# KiCad board 128CR.kicad_pcb (continued)
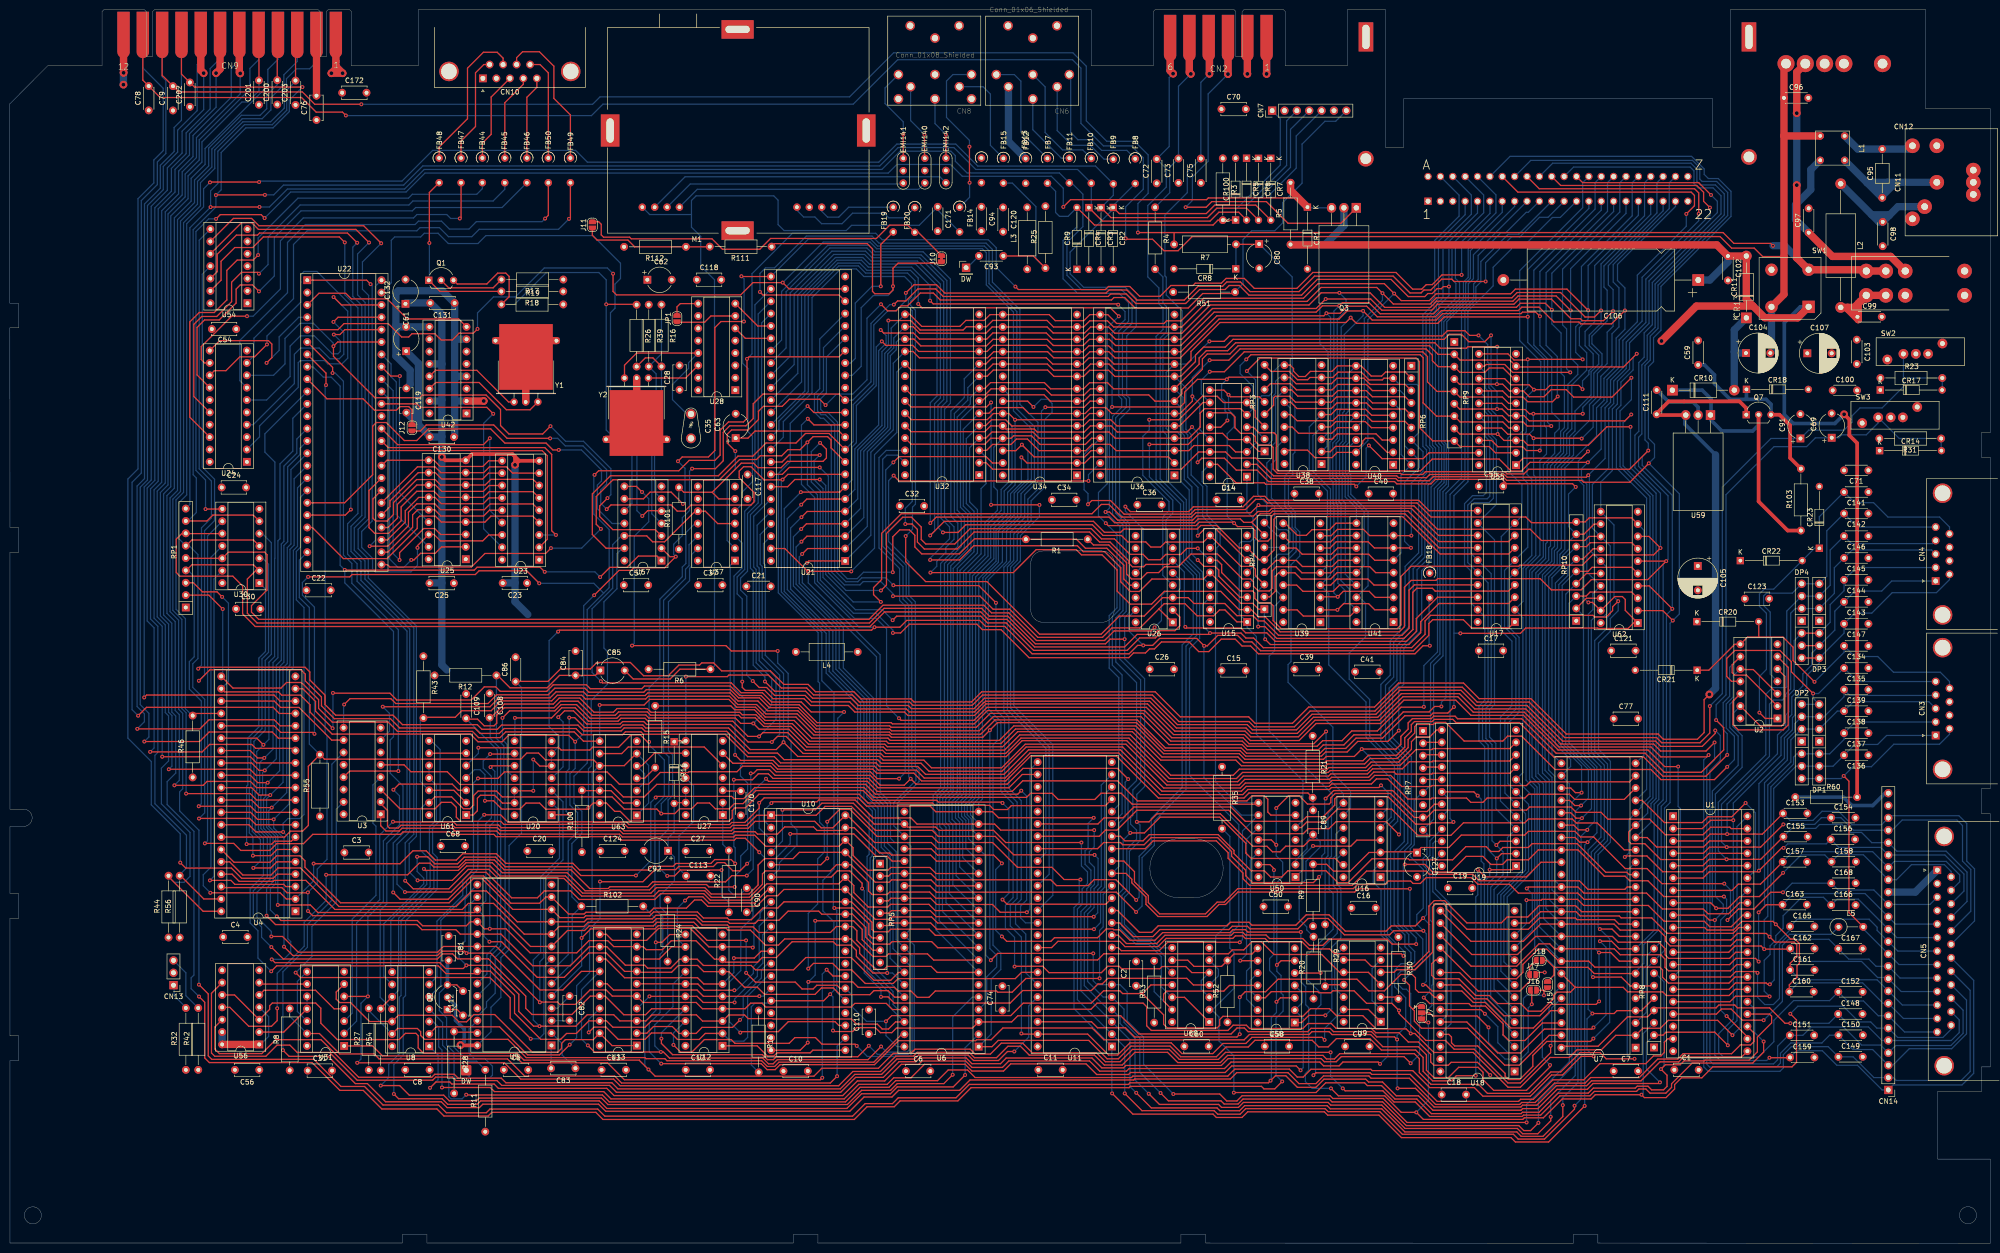
[diagram p0: board, top side]
## Routing (per net, layer and track width the routed paths; a pad name or vN(x,y) marks a point on that pad's centre or on a via; arc(x,y) is an arc through that point) (continued)
  Bottom w0.25: v1(297.8,125.29) 297.78,125.32 296.48,125.32 ; v1(324,162.67) 322,160.67 322,156.79 323.13,155.67 323.13,132.59 v1(324.08,131.64) ; 296.48,125.32 296.48,153.57 299.35,156.44 299.35,191.49 304.53,196.67 304.53,200.49 309.63,205.59 311.55,205.59 316.68,210.72 318.3,210.72 CN1.13 ; 296.48,125.32 v1(296.48,110.17) ; 84.98,108.04 84.28,107.34 84.28,94.85 U61.12
~{DRESET}: length 206
  Top w0.25: v1(148.95,162.72) 147.3,164.37 147.3,166.19 148.18,167.07 151.58,167.07 153.7,169.19 153.7,170.89 154.73,171.92 158.58,171.92 160.03,173.37 166.28,173.37 v1(167.48,172.17) ; 251.43,195.37 251.15,195.09 244.9,195.09 241.93,192.12 231.03,192.12 228.88,194.27 226.68,194.27 226.18,193.77 191.03,193.77 189.6,195.19 186.93,195.19 184.3,192.57 183,192.57 181.98,191.54 180.2,191.54 v1(178.85,192.89)
  Bottom w0.25: U37.2 147.28,144.36 147.28,157.37 148.95,159.04 v1(148.95,162.72) ; 251.43,195.37 253.18,197.12 253.18,206.19 254.98,207.99 259.7,207.99 261.3,209.59 261.3,213.77 265.3,217.77 265.3,225.79 269.99,230.48 272.2,230.48 CN7.7 ; v1(178.85,192.89) 175.98,190.02 175.98,177.37 173.05,174.44 169.75,174.44 v1(167.48,172.17)
~{DWE}: length 230.4
  Top w0.25: U40.4 279.53,167.54 278.28,168.79 272.25,168.79 271.15,167.69 U38.4 ; v1(286.13,59.02) 285.68,59.47 271.95,59.47 270.95,60.47 266.75,60.47 265.3,61.92 258.4,61.92 257.73,62.59 253.68,62.59 253.13,63.14 251.6,63.14 251.08,62.62 237.4,62.62 235.73,60.94 228.95,60.94 227.88,62.02 215.18,62.02 213.9,60.74 U11.40 ; U41.4 280.06,135.21 278.83,136.44 272.43,136.44 271.17,135.19 U39.4
  Bottom w0.25: v1(286.13,59.02) 286.13,60.07 282.85,63.34 282.85,85.77 284.25,87.17 284.25,98.09 278.43,103.92 278.43,111.17 270.78,118.82 270.78,133.46 U39.4 271.13,137.26 271.13,154.94 267.53,158.54 267.53,165.91 U38.4
~{EXROM}: length 280
  Top w0.25: v1(290.28,50.47) 291.5,49.24 299.53,49.24 300.05,48.72 302.95,48.72 306.58,45.09 306.58,42.82 307.75,41.64 311.03,41.64 314.63,45.25 318.54,45.25 ; U11.12 227.41,68.36 231.9,63.87 234.43,63.87 235.78,65.22 249.9,65.22 250.63,65.94 254.4,65.94 255,65.34 264.03,65.34 266.15,67.47 270.83,67.47 274.18,64.12 282.55,64.12 283.63,65.19 288.55,65.19 v1(290.15,66.79)
  Bottom w0.25: v1(290.28,50.47) 291.5,51.69 291.5,65.44 v1(290.15,66.79) 290.85,67.49 290.85,76.97 290.15,77.67 290.15,79.04 290.93,79.82 290.93,84.12 RP7.9 292.3,87.1 292.3,118.74 294.23,120.67 294.23,154.39 295.35,155.52 295.35,164.77 295,165.12 295,189.3 299.43,193.72 299.43,197.09 300.48,198.14 300.48,203.05 311.48,214.05
~{EXTRES}: length 480.1
  Top w0.25: v1(41.23,212.85) 41.25,212.87 v1(51.27,212.87) ; C203.2 58.67,244.38 CN9.3
  Bottom w0.25: C203.2 58.67,238.69 56.86,236.88 56.86,232.75 53.88,229.77 48.17,229.77 42.72,224.32 42.72,217.68 41.23,216.19 v1(41.23,212.85) 36.98,208.6 36.98,151.76 RP1.9 ; v1(51.27,212.87) 53.3,212.87 56.99,216.56 81.05,216.56 85.07,220.58 179.02,220.58 182.77,224.33 193.2,224.33 194.12,223.41 194.12,222.27 196.53,219.86 215.48,219.86 FB11.2 217.99,217.81 220.3,215.5 220.3,208.84 217.03,205.57 217.03,198.85 220.01,195.87 228.25,195.87 230.39,193.73 230.39,188.97 228.42,187 228.42,174.19 229.23,173.38 229.23,171.77 227.02,169.56 227.02,149.99 229.2,147.81 229.2,129.8 227.84,128.44 227.84,120.06 232.15,115.75 232.15,94.7 230.56,93.11 230.56,87.88 230.09,87.41 230.09,86.1 231.32,84.87 231.32,82.99 229.31,80.98 229.31,72.48 228.3,71.47 228.3,65.17 231.5,61.97 234.14,61.97 237.17,58.94 237.17,57.06 238.63,55.6
~{FROM1}: length 112.2
  Top w0.25: U36.22 221.79,172.98 220.53,171.72 212.63,171.72 v1(212.6,171.74)
  Bottom w0.25: U11.33 212.7,80.21 212.7,101.67 204.8,109.57 204.8,138.95 206.1,140.25 206.1,145.67 209,148.57 209,152.84 211.8,155.64 211.8,170.94 v1(212.6,171.74)
~{FSDIR}: length 119.1
  Top w0.25: v1(316.32,40.56) 316.32,39.15 310.11,32.94 307.55,32.94 300.62,39.87 296.52,39.87 294.73,41.66 290.74,41.66 285.19,47.21 v1(285.19,47.83) 283.73,49.29 278.54,49.29 275.97,51.86 271.61,51.86 271.21,51.46 268.77,51.46 268.54,51.69 258.98,51.69 257.72,50.42 U58.12
  Bottom w0.25: U58.12 254.63,51.97 254.63,53.95 U58.10 ; U16.1 282.23,74.36 282.23,63.33 283.74,61.82 283.74,49.28 v1(285.19,47.83) ; v1(316.32,40.56) 316.54,40.78 316.54,48.33 318.54,50.33
~{GAME}: length 275.5
  Top w0.25: v1(290.2,64.19) 284.1,64.19 283.28,63.37 273.98,63.37 270.63,66.72 266.55,66.72 264.43,64.59 254.6,64.59 254.08,65.12 250.95,65.12 250.28,64.44 236.13,64.44 234.68,62.99 230.68,62.99 227.85,65.82 U11.11 ; 318.54,47.79 316.35,47.79 312.78,44.22 308.15,44.22 302.9,49.47 300.45,49.47 298.1,51.82 291.97,51.82 290.69,53.09 v1(290.13,53.09)
  Bottom w0.25: v1(290.13,53.09) 290.8,53.77 290.8,63.59 v1(290.2,64.19) 288.85,65.54 288.85,67.52 290.18,68.84 290.18,76.78 287.5,79.46 287.5,81.04 288.33,81.87 288.33,90.94 289.93,92.54 RP7.6 291.68,94.09 291.68,119.12 293.6,121.04 293.6,154.62 294.9,155.92 294.9,164.17 294.4,164.67 294.4,189.33 298.88,193.81 298.88,197.23 299.85,198.21 299.85,203.9 308.94,212.99 CN1.8
~{GWE}: length 194.3
  Top w0.25: U56.12 42.1,44.42 42.1,39.89 43.03,38.97 51.75,38.97 54.6,41.82 63.9,41.82 71.63,34.09 86.63,34.09 87.25,34.72 91.25,34.72 92.05,33.92 100.9,33.92 101.85,32.97 123.6,32.97 124.85,31.72 170.5,31.72 173.48,34.69 178.98,34.69 182.13,37.84 185.75,37.84 186.55,38.64 196.75,38.64 197.85,37.54 202.98,37.54 204.83,39.39 v1(206.23,39.39)
  Bottom w0.25: v1(206.23,39.39) 209.18,42.34 209.18,48.74 U11.44
~{HIRAM}: length 75.4
  Top w0.25: RP5.5 180.47,67.81 180.99,68.33 U6.29 188.96,68.33 190.2,67.09 222.5,67.09 v1(222.53,67.07)
  Bottom w0.25: U11.23 224.08,94.12 224.08,73.34 223.35,72.62 223.35,67.89 v1(222.53,67.07)
~{IO1}: length 350.7
  Top w0.25: v1(68.65,110.67) 69.85,111.87 78.25,111.87 79.25,110.87 98.18,110.87 99.98,112.67 110.55,112.67 111.9,114.02 118.08,114.02 118.9,113.19 130.15,113.19 130.68,113.72 147.95,113.72 149.63,112.04 153.9,112.04 155.93,110.02 161.9,110.02 165.63,106.29 180.63,106.29 180.93,105.99 198.43,105.99 201.28,108.84 232.65,108.84 238.35,103.14 253.03,103.14 254.08,102.09 268.38,102.09 269.53,103.24 273.5,103.24 275.5,105.24 280.75,105.24 285.63,110.12 290.23,110.12 v1(290.3,110.19)
  Bottom w0.25: v1(68.65,110.67) 68.53,110.55 U3.9 ; v1(290.3,110.19) 290.3,118.67 293.1,121.47 293.1,154.89 294.45,156.24 294.45,163.99 293.95,164.49 293.95,189.52 298.43,193.99 298.43,197.42 299.4,198.39 299.4,204.79 306.4,211.79 CN1.7
~{IO2}: length 351.2
  Top w0.25: v1(76.58,110.22) 98.6,110.22 100.43,112.04 110.93,112.04 112.15,113.27 117.78,113.27 118.53,112.52 130.45,112.52 130.98,113.04 147.85,113.04 149.5,111.39 153.58,111.39 155.58,109.39 161.8,109.39 165.55,105.64 180.64,105.64 181.02,105.27 199,105.27 201.9,108.17 232.23,108.17 237.95,102.44 252.98,102.44 254.03,101.39 268.68,101.39 269.65,102.37 273.88,102.37 275.95,104.44 281.38,104.44 286.08,109.14 291.38,109.14 292.5,110.27 v1(293.9,110.27)
  Bottom w0.25: CN1.10 311.73,211.77 311.3,211.77 307.1,207.57 306.1,207.57 301.45,202.92 301.45,197.99 300.53,197.07 300.53,194.04 298.03,191.54 298.03,157.27 294.83,154.07 294.83,112.07 293.9,111.14 v1(293.9,110.27) ; v1(76.58,110.22) 77.95,108.84 77.95,105.16 U3.7
~{IOACC}: length 235.8
  Top w0.25: v1(154,195.42) 154.63,194.79 170.22,194.79 U21.22
  Bottom w0.25: v1(154,195.42) 154,199.22 155.15,200.37 157,200.37 163.53,206.89 177,206.89 178.45,205.44 200.43,205.44 201.73,204.14 201.73,197.44 207.38,191.79 207.38,172.34 211.08,168.64 211.08,156.52 208.35,153.79 208.35,149.07 205.43,146.14 205.43,140.21 204.08,138.86 204.08,109.17 205.1,108.14 205.1,93.47 207.65,90.92 207.65,70.62 206.48,69.44 206.48,65.62 208.58,63.52 208.58,55.55 U11.43
~{IRQ}: length 665.3
  Top w0.25: U21.8 159.73,157.95 v1(158.65,156.87) 158.61,156.82 154.85,156.82 152.15,159.52 150.65,159.52 149.75,158.62 149.75,157.24 152.78,154.22 152.78,152.27 152.15,151.64 139.83,151.64 138.58,150.39 137.03,150.39 135.75,151.67 123.43,151.67 v1(122.55,150.79) ; v1(284.9,31.82) 288.58,31.82 292.4,27.99 310.2,27.99 310.58,28.37 313.5,28.37 317.5,32.37 323.73,32.37 324.73,33.37 334.88,33.37 338.78,37.27 342.63,37.27 343.63,38.27 355.53,38.27 U1.21 ; v1(284.8,41.87) 284.28,42.39 280.63,42.39 279.55,43.47 271.75,43.47 271.08,44.14 267.13,44.14 266.45,43.47 254.2,43.47 253.45,44.22 251.95,44.22 250.73,42.99 231.8,42.99 228.05,46.74 206.95,46.74 205.68,45.47 U6.3 197.62,44.19 182,44.19 181.08,43.27 178.73,43.27 177.7,44.29 173.83,44.29 173.03,43.49 169.2,43.49 v1(169,43.69) ; U10.16 167.08,49.82 v1(168.43,51.17) ; v1(110.93,165.34) 102.1,165.34 99.35,168.09 85.5,168.09 84.28,166.87 J12.2
  Bottom w0.25: R10.2 152.23,36.64 152.23,48.58 152.99,49.34 155.82,49.34 U10.16 ; v1(169,43.69) 169,50.59 v1(168.43,51.17) 169.18,51.92 169.18,66.02 166.93,68.27 166.93,74.57 169.2,76.84 169.2,113.07 166.7,115.57 166.7,125.49 158.4,133.79 158.4,156.62 v1(158.65,156.87) ; v1(122.55,150.79) 121.33,152.02 121.33,154.77 122.53,155.97 122.53,158.94 117.68,163.79 114.05,163.79 112.5,165.34 v1(110.93,165.34) ; v1(284.9,31.82) 284.8,31.92 v1(284.8,41.87) 284.8,42.74 286.58,44.52 286.58,50.42 284.3,52.69 284.3,56.12 285.63,57.44 286.88,57.44 287.65,58.22 287.65,59.67 286.4,60.92 286.4,63.34 284.2,65.54 284.2,80.44 286.28,82.52 286.28,99.37 282.43,103.22 282.43,114.62 284.1,116.29 284.1,123.44 287.28,126.62 287.28,138.84 289.88,141.44 289.88,156.24 291.5,157.87 291.5,163.19 290.75,163.94 290.75,190.34 292.38,191.97 292.38,193.17 293.3,194.09 293.3,205.82 298.78,211.29 CN1.4
~{LORAM}: length 75.4
  Top w0.25: RP5.6 180.4,65.27 180.93,65.79 U6.30 189.05,65.79 190.33,64.52 v1(222.58,64.52)
  Bottom w0.25: v1(222.58,64.52) 223.93,65.87 223.93,72.29 224.75,73.12 224.75,92.26 U11.22
~{LP}: length 452.4
  Top w0.25: v1(182.55,107.84) 182.98,107.42 197.95,107.42 200.63,110.09 233.33,110.09 238.93,104.49 253.45,104.49 254.68,103.27 264.68,103.27 268.18,106.77 281.4,106.77 286.2,111.57 296.85,111.57 299.98,108.44 310.75,108.44 317.88,101.32 336.33,101.32 339.73,97.92 v1(342.5,97.92) ; U1.14 353.21,54.7 354.33,55.82 358.52,55.82 v1(358.8,55.54) ; v1(121.35,146.74) 120.4,147.69 120.4,153.39 123.85,156.84 145.68,156.84 149.83,160.99 153.3,160.99 154.08,161.77 158.48,161.77 159.73,163.02 162.25,163.02 v1(163.75,164.52) 164.93,165.69 167.9,165.69 168.6,164.99 168.6,163.39 U21.9 ; U22.25 77.53,139.41 78.03,138.92 94.78,138.92 97.55,141.69 110,141.69 v1(111.1,142.79)
  Bottom w0.25: v1(342.5,97.92) 342.5,89.74 342.98,89.27 342.98,56.2 U1.14 ; v1(121.35,146.74) 117.4,142.79 v1(111.1,142.79) ; v1(163.75,164.52) 163.75,155.82 165.8,153.77 165.8,135.97 173.43,128.34 177.88,128.34 180,126.22 180,110.39 v1(182.55,107.84) ; L5.1 373.9,63.47 365.35,63.47 363.3,61.42 363.3,50.29 362.05,49.04 360.28,49.04 358.8,50.52 v1(358.8,55.54)
~{M1}: length 128.1
  Top w0.25: U10.27 169,54.9 v1(167.7,56.19) ; U31.1 74.48,40.54 76.53,38.49 103.7,38.49 105.13,37.07 122.7,37.07 126.18,33.59 166.4,33.59 v1(166.8,33.99)
  Bottom w0.25: v1(167.7,56.19) 166.8,55.29 v1(166.8,33.99)
~{NMI}: length 473.7
  Top w0.25: v1(43.72,130.29) 40.87,133.14 RP1.2 ; U63.8 117.79,103.13 115.88,105.04 101.83,105.04 100.65,103.87 96.25,103.87 94.98,105.14 79.6,105.14 77.7,107.04 66.23,107.04 63.4,109.87 63.4,111.67 59.88,115.19 56.83,115.19 55.68,114.04 45.82,114.04 U4.21 ; v1(285.15,105.32) 282.93,103.09 276.73,103.09 274.55,100.92 270.13,100.92 269.28,100.07 253.7,100.07 252.58,101.19 237.05,101.19 231.3,106.94 202.75,106.94 v1(201.2,105.39) 199.75,103.94 180.99,103.94 180.52,104.42 165.08,104.42 161.4,108.09 155.1,108.09 153.08,110.12 149.23,110.12 147.63,111.72 131.38,111.72 130.23,110.57 v1(121.1,110.57)
  Bottom w0.25: U63.8 121.11,110.56 v1(121.1,110.57) ; U4.21 43.72,116.76 v1(43.72,130.29) ; 298.78,219.13 302.58,215.33 302.58,211.67 296.08,205.17 296.08,197.97 296.88,197.17 296.88,194.14 292.68,189.94 292.68,164.22 293.38,163.52 293.38,156.94 291.78,155.34 291.78,140.12 289.85,138.19 289.85,125.92 286.18,122.24 286.18,114.82 285.15,113.79 v1(285.15,105.32) ; v1(201.2,105.39) 201.2,60.54 202.6,59.14 202.6,56.77 200.55,54.72 200.55,49.66 U6.4
~{RAS}: length 132.2
  Top w0.25: U26.13 230,135.16 228.7,136.46 228.7,139.29 225.23,142.77 220.83,142.77 218.98,144.62 R1.2 208.5,144.72 198.05,144.72 194.95,141.62 187.23,141.62 185.8,143.04 185.8,145.44 184.7,146.54 182.7,146.54 181.28,145.12 v1(181.28,137.84)
  Bottom w0.25: v1(181.28,137.84) 175.28,137.84 173.95,136.52 171.93,136.52 169.93,138.52 169.93,168.67 167.88,170.72 167.05,170.72 166.48,171.29 166.48,173.47 167.65,174.64 167.65,182.04 U21.19
~{RESET}: length 724.8
  Top w0.25: 232.5,51.29 228.45,51.29 227.88,51.87 224.55,51.87 222,49.32 208.05,49.32 205.5,46.77 181.05,46.77 v1(179.88,45.59) ; 232.5,51.29 236.88,46.92 236.88,44.99 237.63,44.24 247.88,44.24 248.38,44.74 248.38,45.94 249.05,46.62 265.45,46.62 267.03,48.19 270.93,48.19 272.35,46.77 277.75,46.77 280.48,44.04 286.65,44.04 v1(287.6,43.09) 288.45,43.09 292.35,39.19 300.43,39.19 307.58,32.04 310.1,32.04 316.23,38.17 320.18,38.17 321.75,39.74 326.73,39.74 329.69,42.71 U7.2 335.24,44.17 338.85,44.17 340.48,45.79 350.6,45.79 v1(353.65,42.74) ; 232.5,51.29 234.27,53.06 U60.11 ; U10.26 170.46,52.36 169.83,52.99 165.68,52.99 164.93,52.24 162.65,52.24 161.25,53.64 153.08,53.64 v1(151.18,55.54) ; v1(117.4,62.72) 119.27,64.59 132.47,64.59 133.13,65.24 140.13,65.24 143.15,62.22 v1(151.15,62.22) ; 43.41,83.43 56.42,83.43 57.63,84.64 60.1,84.64 61.3,85.84 61.3,97.99 R55.2 64.6,99.44 104.9,99.44 106.15,100.69 108.55,100.69 109.95,99.29 119.87,99.29 121.06,98.1 126.14,98.1 128.68,100.64
  Bottom w0.25: U1.34 355.25,71.01 355.25,44.34 v1(353.65,42.74) ; U22.23 59.45,140.33 59.45,132.64 61.5,130.59 61.5,102.54 R55.2 ; v1(151.18,55.54) 151.18,62.19 v1(151.15,62.22) ; v1(287.6,43.09) 287.6,51.29 286.7,52.19 285.98,52.19 285,53.17 285,55.29 285.65,55.94 286.58,55.94 288.43,57.79 288.43,59.92 287.2,61.14 287.2,63.42 284.98,65.64 284.98,80.19 287,82.22 287,99.64 283.18,103.47 283.18,114.04 284.78,115.64 284.78,122.77 288.1,126.09 288.1,138.54 290.5,140.94 290.5,155.94 292.13,157.57 292.13,163.24 291.5,163.87 291.5,190.37 292.88,191.74 292.88,192.87 294.23,194.22 294.23,205.57 300.05,211.39 300.05,215.32 296.24,219.13 ; U5.5 117.4,56.98 v1(117.4,62.72) 117.4,64.24 119.55,66.39 119.55,96.6 121.06,98.1 ; 128.68,87.94 131.15,90.42 131.15,98.17 128.68,100.64 ; U10.26 173,50.9 173,48.47 175.88,45.59 v1(179.88,45.59) 179.88,42.64 182.13,40.39 U6.40
~{ROM1}: length 139.6
  Top w0.25: v1(201.45,151.69) 211.35,151.69 v1(211.38,151.67) ; 183.79,173.03 185.03,171.79 200.53,171.79 v1(201.45,172.72)
  Bottom w0.25: v1(211.38,151.67) 211.38,149.27 207.48,145.37 207.48,140.14 206.13,138.79 206.13,110.42 214.13,102.42 214.13,71.47 U11.37 ; v1(201.45,172.72) v1(201.45,151.69)
~{ROM3}: length 118.5
  Top w0.25: U34.22 208.96,172.98 v1(210.15,171.79)
  Bottom w0.25: U11.35 213.38,75.8 213.38,102.02 205.45,109.94 205.45,138.92 206.83,140.29 206.83,145.59 209.68,148.44 209.68,152.52 212.4,155.24 212.4,169.14 213.98,170.72 213.98,172.52 213.13,173.37 211.73,173.37 v1(210.15,171.79)
~{ROMH}: length 226.3
  Top w0.25: v1(285.18,83.97) 282.53,86.62 272.28,86.62 270.83,85.17 266.58,85.17 265.55,84.14 255.05,84.14 250.25,88.94 231.38,88.94 227.3,84.87 224.93,84.87 223.66,83.6 U11.31
  Bottom w0.25: 293.7,219.13 297.53,215.3 297.53,210.99 292.53,205.99 292.53,194.32 291.85,193.64 291.85,192.47 290.1,190.72 290.1,163.72 290.85,162.97 290.85,158.17 289.23,156.54 289.23,141.82 286.45,139.04 286.45,126.87 283.4,123.82 283.4,116.72 281.48,114.79 281.48,103.09 285.38,99.19 285.38,93.12 285.5,92.99 285.5,84.29 v1(285.18,83.97)
~{ROML}: length 231.1
  Top w0.25: v1(296.38,86.54) 296.2,86.37 291.88,86.37 291.6,86.09 288.6,86.09 282.98,91.72 272.43,91.72 272,91.29 272,89.99 269.65,87.64 266.23,87.64 265.25,86.67 253.65,86.67 250.7,89.62 230.78,89.62 228.55,87.39 224.65,87.39 223.4,86.14 U11.30
  Bottom w0.25: CN1.11 309.8,207.29 307.63,207.29 302,201.67 302,197.47 300.98,196.44 300.98,193.86 298.73,191.61 298.73,156.87 295.68,153.82 295.68,87.24 v1(296.38,86.54)
~{SID}: length 114.7
  Top w0.25: v1(58.69,55.59) 59.7,54.58 98.48,54.58 98.52,54.63 102.73,50.42 102.73,46.23 v1(106.95,42.01)
  Bottom w0.25: v1(58.69,55.59) 62.03,58.93 62.03,65.09 67.04,70.1 67.04,89.17 U3.15 ; U5.8 109.66,56.86 109.66,43.04 108.63,42.01 v1(106.95,42.01)
~{SRQIN}: length 320.8
  Top w0.25: U60.12 241.17,50.52 U60.1 ; CR9.2 222.68,209.17 247.03,209.17 248.03,210.17 R3.2 251.63,210.17 CR100.1 ; U16.13 273.43,77.73 272.11,79.05 254.87,79.05 253.75,80.17 253.75,82.17 248.39,87.53 236.17,87.53 232.94,84.3 v1(230.03,84.3)
  Bottom w0.25: FB7.2 214.7,216.09 214.7,211.74 215.5,210.94 217.25,210.94 CR9.2 219.08,208.82 216.23,205.98 216.23,198.12 219.21,195.14 227.74,195.14 229.68,193.2 229.68,189.4 227.67,187.39 227.67,174.01 228.27,173.41 228.27,171.74 226.39,169.86 226.39,149.71 228.54,147.56 228.54,129.95 227.06,128.47 227.06,119.42 231.32,115.16 231.32,95.05 229.56,93.29 229.56,84.77 v1(230.03,84.3) 228.57,82.84 228.57,72.75 227.68,71.86 227.68,64.94 231.21,61.41 233.86,61.41 236.39,58.88 236.39,52.7 238.57,50.52 U60.12 ; CR100.1 251.65,212.32 260.83,221.49 260.83,230.99 CN7.1
~{U1_FLAG}: length 394.7
  Top w0.25: v1(251.29,30.94) 251.31,30.96 268.15,30.96 270.15,32.96 278.13,32.96 278.7,32.39 281.61,32.39 284.37,29.63 288.85,29.63 291.85,26.63 310.26,26.63 310.54,26.91 313.94,26.91 317.87,30.84 324.05,30.84 325.08,31.87 333.7,31.87 334.09,32.26 336.31,32.26 337.05,31.52 339.51,31.52 340.22,32.23 340.22,34.52 v1(338.97,35.77) 339.88,36.68 342.92,36.68 343.71,37.47 347.87,37.47 348.02,37.62 357.07,37.62 358.77,39.32 358.77,42.35 361.69,45.27 361.69,46.65 361.26,47.08 U1.24
  Top w1.5: v2(246.28,240.24) 246.28,243.93 CN2.4
  Bottom w0.25: v2(246.28,240.24) 244.52,238.48 C75.2 241.73,220.04 241.73,215.82 237.14,211.23 237.14,198.73 237.42,198.45 237.42,194.78 240.69,191.51 240.69,187.5 240.15,186.96 238.09,186.96 236.73,185.6 236.73,166.82 237.48,166.07 237.48,156.79 241.53,152.74 241.53,140.32 244.27,137.58 244.27,124.25 242.19,122.17 242.19,96.11 252.31,85.99 252.31,65.29 250.46,63.44 250.46,60.64 251.33,59.77 251.33,52.39 246.93,47.98 U60.2 246.74,47.98 248.24,46.48 248.24,41.55 251.29,38.5 v1(251.29,30.94) ; RP8.7 337.85,55.46 339.61,53.7 339.61,36.41 v1(338.97,35.77)
  Bottom w1.5: v2(246.28,240.24) 246.28,243.93 CN2.4
~{U4_FLAG}: length 160.8
  Top w0.25: 37.55,108.32 38.07,108.83 U4.24
  Bottom w0.25: CN9.B 62.98,242.68 61.56,241.26 58.84,241.26 56.8,239.22 56.8,237.65 56.36,237.21 56.36,233.18 53.55,230.37 47.86,230.37 42.08,224.59 42.08,220.79 39.15,217.86 39.15,213.11 35.68,209.64 35.68,154.26 34.13,152.71 34.13,130.24 36.06,128.31 36.06,109.81 37.55,108.32
~{U4_PC}: length 169.7
  Top w0.25: v1(27.6,112.12) 28.1,112.62 54.25,112.62 55.5,111.37 58.65,111.37
  Top w1.5: CN9.8 39.21,240.96 v2(39.8,240.37)
  Bottom w0.25: v2(39.8,240.37) 39.81,240.36 39.81,232.87 35.38,228.44 35.38,223.95 32.35,220.92 32.35,216.32 29.04,213.01 29.04,156.79 27.6,155.35 v1(27.6,112.12)
~{VA14}: length 274.4
  Top w0.25: v1(148.65,95.22) 152.45,95.22 153.68,96.44 155.73,96.44 156.68,95.49 176.33,95.49 178.25,93.57 205.13,93.57 207.86,96.3 U11.26 ; U4.2 56.76,70.73 55.5,71.99 v1(41.18,71.99) ; v1(62.38,77.99) 62.4,77.97 80.13,77.97 82.78,80.62 85.48,80.62 87.38,78.72 91.68,78.72 92.98,80.02 99.9,80.02 101.88,78.04 115.6,78.04 116.98,76.67 131.08,76.67 131.85,77.44 136.2,77.44 136.78,78.02 143.93,78.02 144.73,78.82 148.1,78.82 v1(148.93,77.99)
  Bottom w0.25: U4.2 62.38,74.46 v1(62.38,77.99) ; v1(148.65,95.22) 148.65,81.49 148.93,81.22 v1(148.93,77.99) ; U30.11 41.3,140.91 41.3,77.27 39.73,75.69 39.73,73.44 v1(41.18,71.99)
~{VDC}: length 108
  Top w0.25: v1(79.78,96.99) 69.79,96.99 U3.13 ; v1(66.28,178.77) 66.28,179.93 U22.6
  Bottom w0.25: v1(66.28,178.77) 66.8,178.77 68.5,177.07 68.5,141.37 70.23,139.64 70.23,135.57 79.78,126.02 v1(79.78,96.99)
~{VIC}: length 181.8
  Top w0.25: U11.42 207.72,55.66 206.43,54.37 182.38,54.37 181.38,53.37 175.63,53.37 172.83,56.17 170.25,56.17 168.93,57.49 165,57.49 v1(163.93,56.42) ; U21.13 165.1,170.65 v1(163.78,171.97)
  Bottom w0.25: v1(163.78,171.97) 160.23,168.42 160.23,160.57 157.78,158.12 157.78,133.62 165.95,125.44 165.95,115.37 166.25,115.07 166.25,86.49 167.23,85.52 167.23,80.34 165.85,78.97 165.85,69.69 163.93,67.77 v1(163.93,56.42)
~{Z80_WR}: length 128.8
  Top w0.25: U31.13 63.56,43.08 67.75,38.89 74.8,38.89 75.83,37.87 102.18,37.87 105.7,34.34 124.18,34.34 125.6,32.92 168.45,32.92 v1(169.85,34.32)
  Bottom w0.25: R8.2 57.48,46.64 U31.13 ; U10.22 169.85,40.51 v1(169.85,34.32)
~{Z80EN}: length 380.8
  Top w0.25: v1(133.73,36.89) 154.25,36.89 155.48,35.67 157.13,35.67 158.15,36.69 177.53,36.69 182.45,41.62 198.3,41.62 198.49,41.81 201.47,41.81 203.88,44.22 222.2,44.22 224.63,41.79 253.4,41.79 254.5,42.89 266.75,42.89 267.33,43.47 270.85,43.47 271.45,42.87 279.38,42.87 281.88,40.37 289.18,40.37 290.83,38.72 290.83,35.54 292.33,34.04 295.35,34.04 297.45,36.14 301.43,36.14 302.45,35.12 302.45,33.59 304.63,31.42 311.38,31.42 316.2,36.24 v1(316.2,36.62) ; v1(131.25,102.99) 130.9,102.99 129.48,104.42 127.53,104.42 125,101.89 119.65,101.89 119.08,101.32 113.2,101.32 112.73,101.79 v1(96.2,101.79)
  Bottom w0.25: v1(316.2,36.62) 314.63,38.19 314.63,45.82 316,47.19 316,48.62 317.08,49.69 317.08,51.41 318.54,52.87 ; v1(133.73,36.89) 131.28,39.34 131.28,45.17 133.5,47.39 133.5,59.37 134.05,59.92 134.05,67.04 132.45,68.64 132.45,89.87 134.38,91.79 134.38,99.27 131.25,102.39 v1(131.25,102.99) 131.25,114.1 133.46,116.31 133.46,132.32 138.06,136.92 138.06,138.9 138.8,139.64 138.8,145.99 140.65,147.84 U37.11 ; U61.5 96.2,100.63 v1(96.2,101.79)
~{Z80IO}: length 133.9
  Top w0.25: v1(163.95,53.69) 173.05,53.69 174.18,52.57 181.6,52.57 182.35,51.82 185,51.82 186.3,50.52 188.7,50.52 190,51.82 202.58,51.82 202.83,51.57 205.78,51.57 208.6,54.39 223.7,54.39 v1(223.73,54.42) ; RP5.8 177.18,60.19 175,62.37 175,64.47 173.23,66.24 v1(165.35,66.24) ; v1(163.83,41.22) 162.27,39.66 U10.20
  Bottom w0.25: v1(163.83,41.22) 163.83,53.57 v1(163.95,53.69) 165.35,55.09 v1(165.35,66.24) ; v1(223.73,54.42) 223.73,64.24 224.48,64.99 224.48,71.66 U11.14
ΦCOLOR: length 9.2
  Top w0.25: U28.8 153.55,188.43 U21.29
ΦDOT: length 48.7
  Top w0.25: U21.30 151.01,185.89 U28.6
  Bottom w0.25: U37.5 150.26,151.76 150.26,154.23 152.46,156.43 152.46,165.8 151.54,166.72 151.54,179.68 150.46,180.76 150.46,186.43 U28.6
ΦZ80: length 334.7
  Top w0.25: v1(138.2,151.87) 135.78,154.29 131.45,154.29 130.09,152.93 126.18,152.93 ; 246.25,55.6 242.67,55.6 241.43,56.84 236.55,56.84 236.1,56.39 228.25,56.39 227.75,56.89 225.4,56.89 224.1,55.59 213.35,55.59 212.05,56.89 206.33,56.89 v1(206.28,56.84) ; v1(150.73,189.34) 146,189.34 144.75,188.09 144.75,162.84 143.43,161.52 138.05,161.52 v1(137.18,160.64) ; v1(150.2,198.64) 150.26,198.59 U21.25
  Bottom w0.25: U60.3 244.6,52.17 244.6,53.95 246.25,55.6 ; v1(150.2,198.64) 150.75,198.09 150.75,189.37 v1(150.73,189.34) ; U21.25 163.94,206.27 176.73,206.27 178.15,204.84 200.08,204.84 201.03,203.89 201.03,197.12 206.75,191.39 206.75,171.37 210.35,167.77 210.35,156.72 207.6,153.97 207.6,149.32 204.63,146.34 204.63,140.04 200.9,136.32 200.9,109.77 203.48,107.19 203.48,92.82 205.98,90.32 205.98,70.99 204.4,69.42 204.4,64.72 206.28,62.84 v1(206.28,56.84) ; v1(138.2,151.87) 138.63,152.29 138.63,159.19 v1(137.18,160.64)
Net-(C35-Pad1): length 35.6
  Top w0.25: U28.13 128.7,182.86 126.2,180.37 Y2.1
  Bottom w0.25: C35.1 139,170.34 136.05,173.29 136.05,176.42 139.35,179.72 139.35,180.88 U28.13
Net-(C59-Pad1): length 38.4
  Top w0.75: Q7.3 363.3,170.2 365.49,168.01 365.49,161.32 367.74,159.07
  Bottom w0.75: Q7.3 361.56,172.35 360.55,173.36 356.35,173.36 ; 356.35,173.36 356.53,173.54 CR18.1 ; 356.35,173.36 353.17,173.36 349.96,176.57 349.96,178.38 347.87,180.47 346.58,180.47
Net-(C69-Pad1): length 367.6
  Top w0.25: v1(350.3,107.47) 351.85,105.92 351.85,101.34 347.25,96.74 339.65,96.74 335.73,100.67 317.45,100.67 310.38,107.74 297.23,107.74 296.7,108.27 292.33,108.27 291.83,107.77 287.95,107.77 287.08,106.89 287.08,105.62 285.58,104.12 285.58,102.49 284.6,101.52 v1(277.55,101.52) 276.03,99.99 270.28,99.99 269.7,99.42 253.55,99.42 252.4,100.57 236.88,100.57 231.18,106.27 206.13,106.27 203.15,103.29 180.75,103.29 180.28,103.77 164.65,103.77 161.03,107.39 155.08,107.39 152.88,109.59 148.83,109.59 148.03,110.39 R15.1
  Bottom w0.25: CR14.2 396.5,162.87 R31.1 387.9,165.32 SW3.1 383.58,168.52 381.13,166.07 376.08,166.07 375.48,165.47 C69.1 374,165.44 370.68,165.44 368.88,163.64 362.2,163.64 352.33,153.77 352.33,112.64 350.3,110.62 v1(350.3,107.47) ; v1(277.55,101.52) 283.58,95.49 283.58,87.52 283.57,87.52 U16.5
